# KiCad board jetson-nano-baseboard.kicad_pcb (continued)
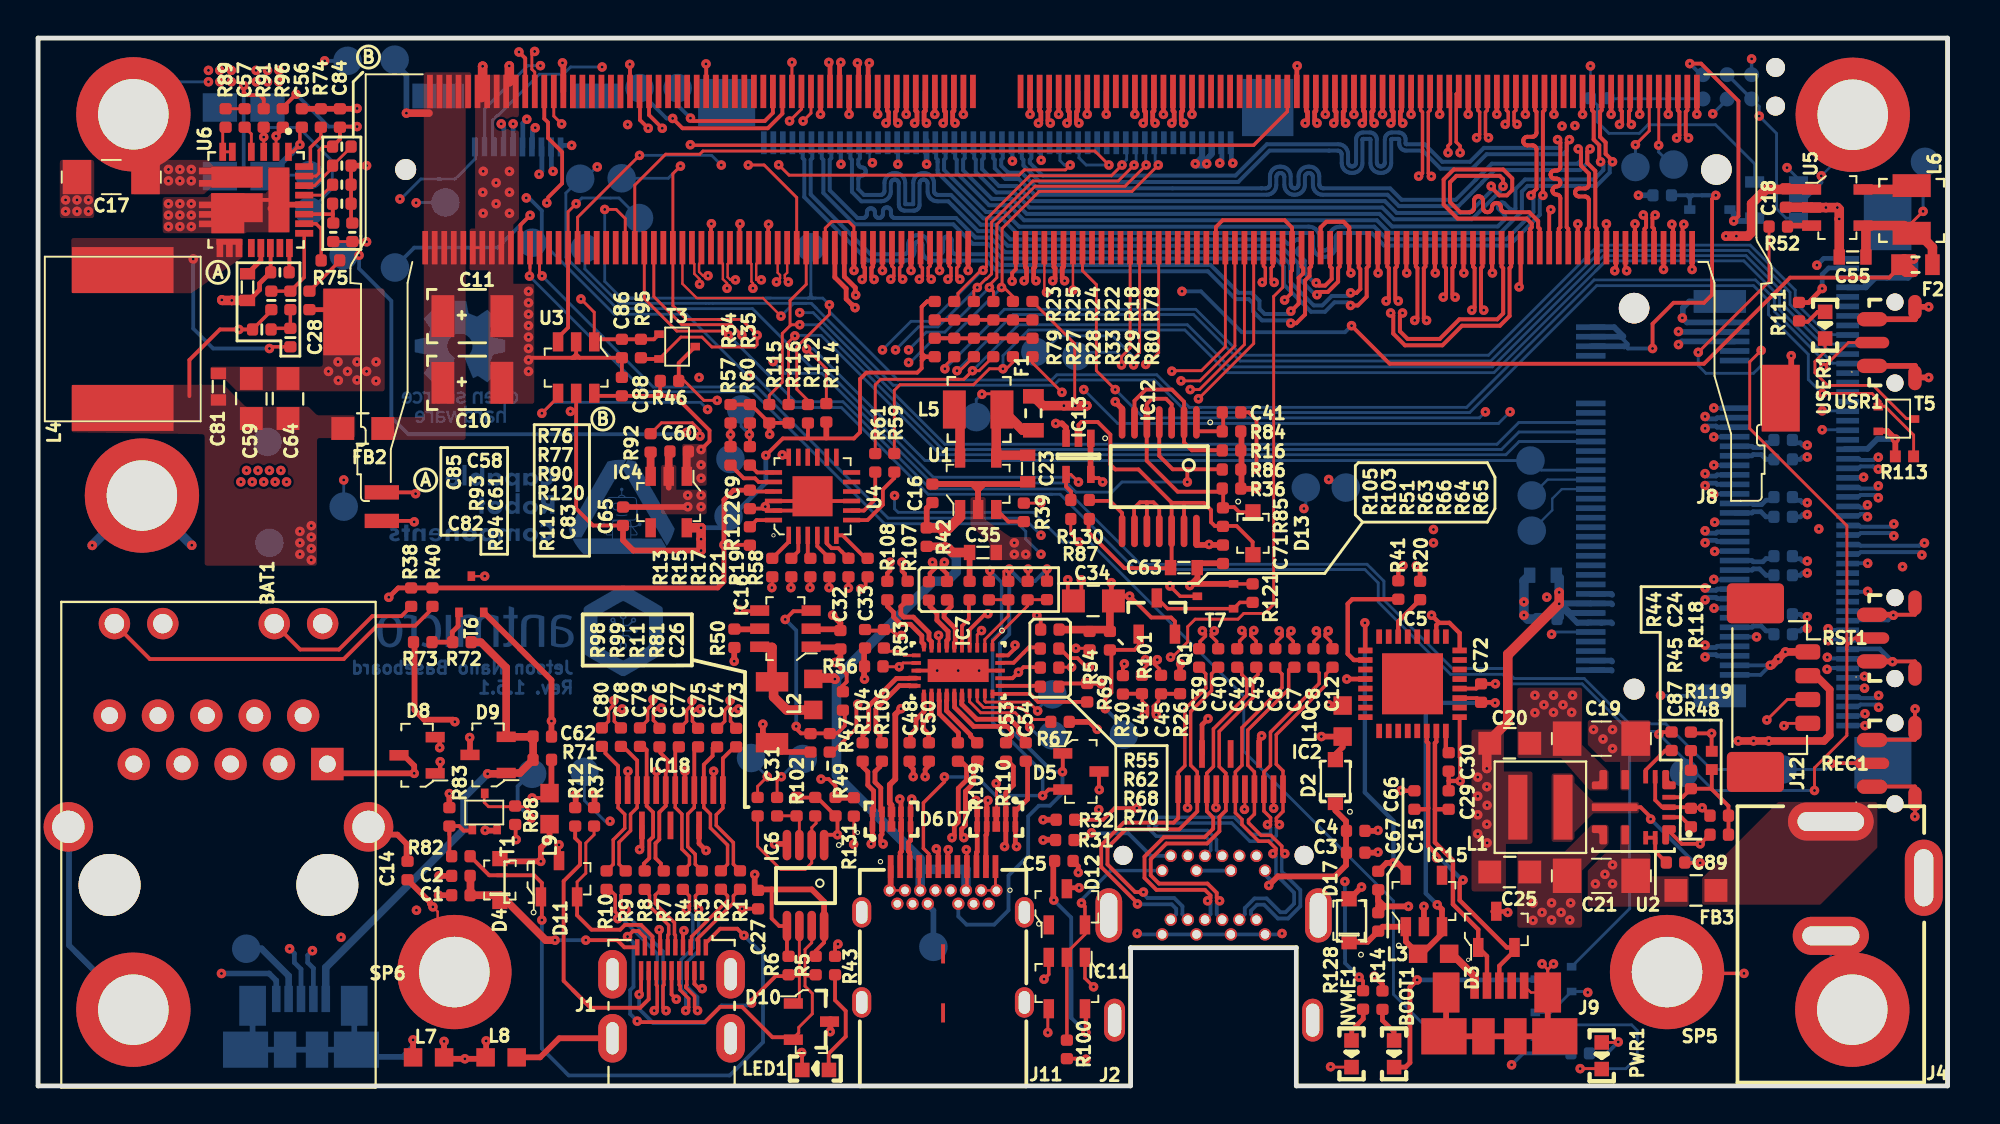
[diagram p0: board, top side]
## Routing (per net, layer and track width the routed paths; a pad name or vN(x,y) marks a point on that pad's centre or on a via; arc(x,y) is an arc through that point) (continued)
  Bottom w0.25: v1(92.86,33.64) 92.62,33.64 92.5,33.76 92.08,33.76
PCIE0_TX1_N: length 66.2
  Top w0.25: M1.140 52.32,42.98 52.26,42.92 52.26,42.39 v1(52.38,42.26)
  In3_SIGNAL.Cu w0.185: v1(52.38,42.26) 52.22,42.1 52.22,41.68 53.54,40.36 60.51,40.36 66.66,34.21 71.14,34.21 71.23,34.2 71.32,34.17 71.4,34.12 71.46,34.06 71.51,33.98 71.54,33.89 71.55,33.8 71.55,33.62 71.56,33.59 71.56,33.56 71.58,33.54 71.6,33.52 71.63,33.5 71.65,33.49 71.68,33.49 71.79,33.49 71.82,33.49 71.85,33.5 71.87,33.52 71.89,33.54 71.91,33.56 71.92,33.59 71.92,33.62 71.92,34.52 71.93,34.61 71.96,34.7 72.01,34.78 72.08,34.84 72.16,34.89 72.24,34.92 72.34,34.94 72.5,34.94 72.59,34.92 72.68,34.89 72.76,34.84 72.82,34.78 72.87,34.7 72.9,34.61 72.91,34.52 72.91,33.62 72.92,33.59 72.92,33.56 72.94,33.54 72.96,33.52 72.99,33.5 73.01,33.49 73.04,33.49 73.15,33.49 73.18,33.49 73.21,33.5 73.23,33.52 73.25,33.54 73.27,33.56 73.28,33.59 73.28,33.62 73.28,34.52 73.29,34.61 73.32,34.7 73.37,34.78 73.44,34.84 73.52,34.89 73.6,34.92 73.7,34.94 73.86,34.94 73.95,34.92 74.04,34.89 74.12,34.84 74.18,34.78 74.23,34.7 74.26,34.61 74.27,34.52 74.27,33.62 74.28,33.59 74.28,33.56 74.3,33.54 74.32,33.52 74.35,33.5 74.37,33.49 74.4,33.49 74.51,33.49 74.54,33.49 74.57,33.5 74.59,33.52 74.61,33.54 74.63,33.56 74.64,33.59 74.64,33.62 74.64,34.52 74.65,34.61 74.68,34.7 74.73,34.78 74.8,34.84 74.88,34.89 74.96,34.92 75.06,34.94 75.22,34.94 75.31,34.92 75.4,34.89 75.48,34.84 75.54,34.78 75.59,34.7 75.62,34.61 75.63,34.52 75.63,33.62 75.64,33.59 75.64,33.56 75.66,33.54 75.68,33.52 75.71,33.5 75.73,33.49 75.76,33.49 75.87,33.49 75.9,33.49 75.93,33.5 75.95,33.52 75.97,33.54 75.99,33.56 76,33.59 76,33.62 76,34.52 76.01,34.61 76.04,34.7 76.09,34.78 76.16,34.84 76.24,34.89 76.32,34.92 76.42,34.94 76.58,34.94 76.67,34.92 76.76,34.89 76.84,34.84 76.9,34.78 76.95,34.7 76.98,34.61 76.99,34.52 76.99,33.62 77,33.59 77,33.56 77.02,33.54 77.04,33.52 77.07,33.5 77.09,33.49 77.12,33.49 77.23,33.49 77.26,33.49 77.29,33.5 77.31,33.52 77.33,33.54 77.35,33.56 77.36,33.59 77.36,33.62 77.36,34.52 77.37,34.61 77.4,34.7 77.45,34.78 77.52,34.84 77.6,34.89 77.68,34.92 77.78,34.94 77.94,34.94 78.03,34.92 78.12,34.89 78.2,34.84 78.26,34.78 78.31,34.7 78.34,34.61 78.35,34.52 78.35,33.62 78.36,33.59 78.36,33.56 78.38,33.54 78.4,33.52 78.43,33.5 78.45,33.49 78.48,33.49 78.59,33.49 78.62,33.49 78.65,33.5 78.67,33.52 78.69,33.54 78.71,33.56 78.72,33.59 78.72,33.62 78.74,34.52 78.75,34.61 78.78,34.7 78.83,34.78 78.89,34.84 78.97,34.89 79.06,34.92 79.15,34.94 79.31,34.94 79.41,34.92 79.49,34.89 79.57,34.84 79.64,34.78 79.69,34.7 79.72,34.61 79.73,34.52 79.73,34.34 79.73,34.31 79.74,34.28 79.76,34.26 79.78,34.24 79.8,34.22 79.83,34.21 79.86,34.21 81.71,34.21 85.45,30.47 88.56,30.47 89.72,31.63 93.21,31.63 93.75,31.09 93.75,30.5 93.4,30.15 93.02,30.15 v1(92.86,29.99)
  Bottom w0.25: 92.08,29.87 92.5,29.87 92.62,29.99 v1(92.86,29.99)
PCIE0_TX1_P: length 66.2
  Top w0.25: v1(51.76,42.26) 51.88,42.39 51.88,42.92 51.82,42.98 M1.142
  In3_SIGNAL.Cu w0.185: v1(51.76,42.26) 51.91,42.1 51.91,41.55 53.42,40.05 60.39,40.05 66.54,33.9 71.11,33.9 71.14,33.9 71.17,33.89 71.19,33.87 71.21,33.85 71.23,33.83 71.24,33.8 71.24,33.77 71.24,33.59 71.25,33.5 71.28,33.41 71.33,33.33 71.4,33.27 71.48,33.22 71.56,33.19 71.66,33.18 71.82,33.18 71.91,33.19 72,33.22 72.08,33.27 72.14,33.33 72.19,33.41 72.22,33.5 72.23,33.59 72.23,34.5 72.24,34.52 72.24,34.55 72.26,34.58 72.28,34.6 72.31,34.61 72.33,34.62 72.36,34.63 72.47,34.63 72.5,34.62 72.53,34.61 72.55,34.6 72.57,34.58 72.59,34.55 72.6,34.52 72.6,34.5 72.6,33.59 72.61,33.5 72.64,33.41 72.69,33.33 72.76,33.27 72.84,33.22 72.92,33.19 73.02,33.18 73.18,33.18 73.27,33.19 73.36,33.22 73.44,33.27 73.5,33.33 73.55,33.41 73.58,33.5 73.59,33.59 73.59,34.5 73.6,34.52 73.6,34.55 73.62,34.58 73.64,34.6 73.67,34.61 73.69,34.62 73.72,34.63 73.83,34.63 73.86,34.62 73.89,34.61 73.91,34.6 73.93,34.58 73.95,34.55 73.96,34.52 73.96,34.5 73.96,33.59 73.97,33.5 74,33.41 74.05,33.33 74.12,33.27 74.2,33.22 74.28,33.19 74.38,33.18 74.54,33.18 74.63,33.19 74.72,33.22 74.8,33.27 74.86,33.33 74.91,33.41 74.94,33.5 74.95,33.59 74.95,34.5 74.96,34.52 74.96,34.55 74.98,34.58 75,34.6 75.03,34.61 75.05,34.62 75.08,34.63 75.19,34.63 75.22,34.62 75.25,34.61 75.27,34.6 75.29,34.58 75.31,34.55 75.32,34.52 75.32,34.5 75.32,33.59 75.33,33.5 75.36,33.41 75.41,33.33 75.48,33.27 75.56,33.22 75.64,33.19 75.74,33.18 75.9,33.18 75.99,33.19 76.08,33.22 76.16,33.27 76.22,33.33 76.27,33.41 76.3,33.5 76.31,33.59 76.31,34.5 76.32,34.52 76.32,34.55 76.34,34.58 76.36,34.6 76.39,34.61 76.41,34.62 76.44,34.63 76.55,34.63 76.58,34.62 76.61,34.61 76.63,34.6 76.65,34.58 76.67,34.55 76.68,34.52 76.68,34.5 76.68,33.59 76.69,33.5 76.72,33.41 76.77,33.33 76.84,33.27 76.92,33.22 77,33.19 77.1,33.18 77.26,33.18 77.35,33.19 77.44,33.22 77.52,33.27 77.58,33.33 77.63,33.41 77.66,33.5 77.67,33.59 77.67,34.5 77.68,34.52 77.68,34.55 77.7,34.58 77.72,34.6 77.75,34.61 77.77,34.62 77.8,34.63 77.91,34.63 77.94,34.62 77.97,34.61 77.99,34.6 78.01,34.58 78.03,34.55 78.04,34.52 78.04,34.5 78.04,33.59 78.05,33.5 78.08,33.41 78.13,33.33 78.2,33.27 78.28,33.22 78.36,33.19 78.46,33.18 78.62,33.18 78.71,33.19 78.8,33.22 78.88,33.27 78.94,33.33 78.99,33.41 79.02,33.5 79.03,33.59 79.05,34.5 79.05,34.52 79.06,34.55 79.08,34.58 79.1,34.6 79.12,34.61 79.15,34.62 79.18,34.63 79.29,34.63 79.32,34.62 79.34,34.61 79.37,34.6 79.39,34.58 79.4,34.55 79.41,34.52 79.42,34.5 79.42,34.32 79.43,34.22 79.46,34.14 79.51,34.06 79.57,33.99 79.65,33.94 79.74,33.91 79.83,33.9 81.58,33.9 85.32,30.16 88.71,30.16 89.87,31.32 91.45,31.32 91.49,31.31 91.53,31.3 91.57,31.27 91.6,31.25 91.62,31.21 91.63,31.17 91.64,31.13 91.64,31.08 91.64,31.04 91.65,31 91.68,30.97 91.71,30.94 91.74,30.92 91.78,30.9 91.82,30.9 91.86,30.9 91.9,30.92 91.94,30.94 91.97,30.97 91.99,31 92,31.04 92.01,31.08 92.01,31.13 92.01,31.17 92.02,31.21 92.05,31.25 92.08,31.27 92.11,31.3 92.15,31.31 92.19,31.32 93.09,31.32 93.44,30.96 93.44,30.62 93.27,30.46 93.02,30.46 v1(92.86,30.62)
  Bottom w0.25: v1(92.86,30.62) 92.62,30.62 92.5,30.74 92.08,30.74
PCIE0_TX2_N: length 65.5
  Top w0.18: M1.148 48.32,43.03 48.22,42.94 48.22,42.5 v1(48.38,42.34)
  In3_SIGNAL.Cu w0.185: v1(92.86,26.92) 93.02,27.08 93.4,27.08 93.75,27.43 93.75,28.03 93.17,28.6 89.6,28.6 88.49,27.49 84.63,27.49 83.32,28.8 83.32,30.66 81.34,32.64 81,32.64 80.96,32.65 80.92,32.66 80.88,32.68 80.86,32.71 80.83,32.75 80.82,32.79 80.82,32.83 80.82,33.1 80.8,33.2 80.77,33.3 80.71,33.39 80.64,33.46 80.55,33.52 80.45,33.55 80.35,33.56 80.29,33.56 80.19,33.55 80.09,33.52 80,33.46 79.93,33.39 79.87,33.3 79.84,33.2 79.83,33.1 79.83,31.96 79.82,31.92 79.81,31.88 79.78,31.84 79.76,31.81 79.72,31.79 79.68,31.78 79.64,31.77 79.6,31.78 79.56,31.79 79.52,31.81 79.5,31.84 79.47,31.88 79.46,31.92 79.46,31.96 79.46,32.18 79.44,32.28 79.41,32.38 79.35,32.47 79.28,32.54 79.19,32.6 79.09,32.63 78.99,32.64 78.93,32.64 78.83,32.63 78.73,32.6 78.64,32.54 78.57,32.47 78.51,32.38 78.48,32.28 78.47,32.18 78.47,31.96 78.46,31.92 78.45,31.88 78.42,31.84 78.4,31.81 78.36,31.79 78.32,31.78 78.28,31.77 78.24,31.78 78.2,31.79 78.16,31.81 78.14,31.84 78.11,31.88 78.1,31.92 78.1,31.96 78.1,32.18 78.08,32.28 78.05,32.38 77.99,32.47 77.92,32.54 77.83,32.6 77.73,32.63 77.63,32.64 77.63,32.64 77.53,32.63 77.43,32.6 77.34,32.54 77.27,32.47 77.21,32.38 77.18,32.28 77.17,32.18 77.17,31.96 77.16,31.92 77.15,31.88 77.12,31.84 77.1,31.81 77.06,31.79 77.02,31.78 76.98,31.77 76.94,31.78 76.9,31.79 76.86,31.81 76.84,31.84 76.81,31.88 76.8,31.92 76.8,31.96 76.8,32.18 76.78,32.28 76.75,32.38 76.69,32.47 76.62,32.54 76.53,32.6 76.43,32.63 76.33,32.64 76.33,32.64 76.23,32.63 76.13,32.6 76.04,32.54 75.97,32.47 75.91,32.38 75.88,32.28 75.87,32.18 75.87,31.96 75.86,31.92 75.85,31.88 75.82,31.84 75.8,31.81 75.76,31.79 75.72,31.78 75.68,31.77 75.64,31.78 75.6,31.79 75.56,31.81 75.54,31.84 75.51,31.88 75.5,31.92 75.5,31.96 75.5,32.18 75.48,32.28 75.45,32.38 75.39,32.47 75.32,32.54 75.23,32.6 75.13,32.63 75.03,32.64 75.03,32.64 74.93,32.63 74.83,32.6 74.74,32.54 74.67,32.47 74.61,32.38 74.58,32.28 74.57,32.18 74.57,31.96 74.56,31.92 74.55,31.88 74.52,31.84 74.5,31.81 74.46,31.79 74.42,31.78 74.38,31.77 74.34,31.78 74.3,31.79 74.26,31.81 74.24,31.84 74.21,31.88 74.2,31.92 74.2,31.96 74.2,32.18 74.18,32.28 74.15,32.38 74.09,32.47 74.02,32.54 73.93,32.6 73.83,32.63 73.73,32.64 66.96,32.64 60.07,39.53 60,39.53 59.97,39.56 50.56,39.56 48.22,41.89 48.22,42.18 v1(48.38,42.34)
  Bottom w0.25: 92.08,26.8 92.5,26.8 92.62,26.92 v1(92.86,26.92)
PCIE0_TX2_P: length 65.2
  Top w0.18: v1(47.76,42.34) 47.92,42.5 47.92,42.94 47.82,43.03 47.82,44
  In3_SIGNAL.Cu w0.185: 77.64,32.33 77.68,32.32 77.72,32.29 77.74,32.26 77.77,32.23 77.78,32.19 77.79,32.15 77.79,31.93 77.8,31.83 77.83,31.73 77.89,31.64 77.96,31.57 78.05,31.51 78.15,31.48 78.25,31.46 78.31,31.46 78.41,31.48 78.51,31.51 78.6,31.57 78.67,31.64 78.73,31.73 78.76,31.83 78.78,31.93 78.78,32.15 78.78,32.19 78.79,32.23 78.82,32.26 78.84,32.29 78.88,32.32 78.92,32.33 78.96,32.33 79,32.33 79.04,32.32 79.08,32.29 79.1,32.26 79.13,32.23 79.14,32.19 79.15,32.15 79.15,31.93 79.16,31.83 79.19,31.73 79.25,31.64 79.32,31.57 79.41,31.51 79.51,31.48 79.61,31.46 79.67,31.46 79.77,31.48 79.87,31.51 79.96,31.57 80.03,31.64 80.09,31.73 80.12,31.83 80.14,31.93 80.14,33.07 80.14,33.11 80.15,33.15 80.18,33.18 80.2,33.21 80.24,33.24 80.28,33.25 80.32,33.25 80.36,33.25 80.4,33.24 80.44,33.21 80.46,33.18 80.49,33.15 80.5,33.11 80.51,33.07 80.51,32.8 80.52,32.7 80.55,32.6 80.61,32.51 80.68,32.44 80.77,32.38 80.87,32.35 80.97,32.33 81.21,32.33 83.01,30.53 83.01,28.68 84.51,27.18 88.68,27.18 89.79,28.29 90.87,28.29 90.89,28.29 90.92,28.28 90.94,28.26 90.96,28.25 90.98,28.22 90.99,28.2 90.99,28.14 91,28.12 91.02,28.09 91.04,28.07 91.06,28.06 91.08,28.05 91.11,28.05 91.24,28.05 91.26,28.05 91.29,28.06 91.31,28.07 91.33,28.09 91.35,28.12 91.36,28.14 91.36,28.2 91.37,28.22 91.39,28.25 91.41,28.26 91.43,28.28 91.45,28.29 91.48,28.29 93.04,28.29 93.44,27.9 93.44,27.56 93.27,27.39 93.02,27.39 v1(92.86,27.55) ; v1(47.76,42.34) 47.91,42.18 47.91,41.77 50.46,39.22 59.94,39.22 66.83,32.33 73.7,32.33 73.74,32.33 73.78,32.32 73.82,32.29 73.84,32.26 73.87,32.23 73.88,32.19 73.89,32.15 73.89,31.93 73.9,31.83 73.93,31.73 73.99,31.64 74.06,31.57 74.15,31.51 74.25,31.48 74.35,31.46 74.41,31.46 74.51,31.48 74.61,31.51 74.7,31.57 74.77,31.64 74.83,31.73 74.86,31.83 74.88,31.93 74.88,32.15 74.88,32.19 74.89,32.23 74.92,32.26 74.94,32.29 74.98,32.32 75.02,32.33 ; 77.62,32.33 77.58,32.32 77.54,32.29 77.52,32.26 77.49,32.23 77.48,32.19 77.48,32.15 77.48,31.93 77.46,31.83 77.43,31.73 77.37,31.64 77.3,31.57 77.21,31.51 77.11,31.48 77.01,31.46 76.95,31.46 76.85,31.48 76.75,31.51 76.66,31.57 76.59,31.64 76.53,31.73 76.5,31.83 76.49,31.93 76.49,32.15 76.48,32.19 76.47,32.23 76.44,32.26 76.42,32.29 76.38,32.32 76.34,32.33 ; 75.04,32.33 75.08,32.32 75.12,32.29 75.14,32.26 75.17,32.23 75.18,32.19 75.19,32.15 75.19,31.93 75.2,31.83 75.23,31.73 75.29,31.64 75.36,31.57 75.45,31.51 75.55,31.48 75.65,31.46 75.71,31.46 75.81,31.48 75.91,31.51 76,31.57 76.07,31.64 76.13,31.73 76.16,31.83 76.18,31.93 76.18,32.15 76.18,32.19 76.19,32.23 76.22,32.26 76.24,32.29 76.28,32.32 76.32,32.33
  Bottom w0.25: v1(92.86,27.55) 92.62,27.55 92.5,27.67 92.08,27.67
PCIE0_TX3_N: length 66
  Top w0.18: 46.82,44 46.82,43.03 46.72,42.94 46.72,42.5 v1(46.88,42.34)
  In3_SIGNAL.Cu w0.18: 70.03,31.44 70.03,30.48 70.03,30.47 70.03,30.47
  In3_SIGNAL.Cu w0.185: 70.03,30.5 70.03,30.47 70.02,30.44 70,30.41 69.98,30.39 69.95,30.37 69.92,30.36 69.89,30.36 69.81,30.36 69.77,30.36 69.74,30.37 69.72,30.39 69.69,30.41 69.68,30.44 69.67,30.47 69.66,30.5 69.66,31.44 69.65,31.53 69.62,31.62 69.57,31.7 69.5,31.77 69.42,31.82 69.33,31.85 69.23,31.86 69.1,31.86 69,31.85 68.91,31.82 68.83,31.77 68.77,31.7 68.71,31.62 68.68,31.53 68.67,31.44 68.67,30.5 68.67,30.47 68.66,30.44 68.64,30.41 68.62,30.39 68.59,30.37 68.56,30.36 68.53,30.36 68.45,30.36 68.41,30.36 68.38,30.37 68.36,30.39 68.33,30.41 68.32,30.44 68.31,30.47 68.3,30.5 68.3,30.68 68.29,30.78 68.26,30.87 68.21,30.95 68.14,31.02 68.06,31.07 67.97,31.1 67.87,31.11 67.12,31.11 59.58,38.64 58.46,38.64 58.46,38.65 57.82,38.65 57.81,38.64 50.02,38.64 46.72,41.94 46.72,42.18 v1(46.88,42.34) ; 70.03,31.44 70.04,31.53 70.08,31.62 70.13,31.7 70.19,31.77 70.28,31.82 70.37,31.85 70.46,31.86 70.6,31.86 70.69,31.85 70.78,31.82 70.86,31.77 70.93,31.7 70.98,31.62 71.01,31.53 71.02,31.44 71.02,31.25 71.03,31.22 71.04,31.19 71.06,31.16 71.08,31.14 71.11,31.12 71.14,31.11 71.17,31.11 80.95,31.11 82.28,29.78 82.28,27.62 85.63,24.26 88.24,24.26 89.69,25.71 93.14,25.71 93.75,25.11 93.75,24.51 93.4,24.16 93.02,24.16 v1(92.86,24.01)
  Bottom w0.25: 92.08,23.88 92.5,23.88 92.62,24.01 v1(92.86,24.01)
PCIE0_TX3_P: length 67
  Top w0.18: v1(46.26,42.34) 46.42,42.5 46.42,42.94 46.32,43.03 M1.156
  In3_SIGNAL.Cu w0.18: 70.34,31.41 70.35,31.41 70.35,30.48 ; 70.35,31.44 70.35,30.48 ; 70.35,30.48 70.34,30.48
  In3_SIGNAL.Cu w0.185: 70.34,30.48 70.33,30.38 70.3,30.29 70.25,30.21 70.18,30.14 70.1,30.09 70.01,30.06 69.91,30.05 69.78,30.05 69.68,30.06 69.59,30.09 69.51,30.14 69.45,30.21 69.39,30.29 69.36,30.38 69.35,30.48 69.35,31.41 69.35,31.44 69.34,31.47 69.32,31.5 69.3,31.52 69.27,31.54 69.24,31.55 69.21,31.55 69.13,31.55 69.09,31.55 69.06,31.54 69.04,31.52 69.01,31.5 69,31.47 68.99,31.44 68.98,31.41 68.98,30.48 68.97,30.38 68.94,30.29 68.89,30.21 68.82,30.14 68.74,30.09 68.65,30.06 68.55,30.05 68.42,30.05 68.32,30.06 68.23,30.09 68.15,30.14 68.09,30.21 68.03,30.29 68,30.38 67.99,30.48 67.99,30.66 67.99,30.69 67.98,30.72 67.96,30.75 67.94,30.77 67.91,30.79 67.88,30.8 67.85,30.8 66.99,30.8 59.45,38.33 58.34,38.33 58.33,38.34 57.94,38.34 57.94,38.33 49.89,38.33 46.41,41.81 46.41,42.18 v1(46.26,42.34) ; v1(92.86,24.63) 93.02,24.47 93.27,24.47 93.44,24.64 93.44,24.98 93.04,25.37 92.05,25.37 92,25.37 91.97,25.35 91.93,25.33 91.9,25.3 91.88,25.27 91.87,25.23 91.86,25.19 91.86,25.13 91.86,25.09 91.84,25.05 91.82,25.01 91.79,24.98 91.76,24.96 91.72,24.95 91.68,24.94 91.63,24.95 91.6,24.96 91.56,24.98 91.53,25.01 91.51,25.05 91.5,25.09 91.49,25.13 91.49,25.19 91.49,25.23 91.47,25.27 91.45,25.3 91.42,25.33 91.39,25.35 91.35,25.37 91.31,25.37 89.79,25.37 88.37,23.95 85.51,23.95 81.97,27.49 81.97,29.65 80.82,30.8 71.14,30.8 71.05,30.81 70.96,30.84 70.87,30.89 70.81,30.96 70.76,31.04 70.72,31.13 70.71,31.23 70.71,31.41 70.71,31.44 70.7,31.47 70.68,31.5 70.66,31.52 70.63,31.54 70.6,31.55 70.57,31.55 70.49,31.55 70.46,31.55 70.43,31.54 70.4,31.52 70.38,31.5 70.36,31.47 70.35,31.44 70.34,31.41
  Bottom w0.25: v1(92.86,24.63) 92.62,24.63 92.5,24.75 92.08,24.75
PCIE1_CLK_N: length 28.2
  Top w0.25: M1.173 42.07,53.66 v1(42.13,53.73)
  In5_3V3_SYS_SIGNAL.Cu w0.195: v1(42.13,53.73) 41.98,53.57 41.98,53.1 41.47,52.6 36.84,52.6 36.73,52.61 36.63,52.65 36.53,52.71 36.46,52.78 36.4,52.88 36.36,52.98 36.35,53.09 36.35,53.34 36.35,53.38 36.33,53.42 36.31,53.46 36.28,53.49 36.24,53.51 36.2,53.53 36.16,53.53 36.11,53.53 36.07,53.51 36.04,53.49 36,53.46 35.98,53.42 35.97,53.38 35.96,53.34 35.96,53.09 35.95,52.98 35.91,52.88 35.86,52.78 35.78,52.71 35.69,52.65 35.58,52.61 35.48,52.6 22.8,52.6 22.5,52.3 22.5,51.88 22.84,51.54 24.4,51.54 24.78,51.16 24.78,50.74 ; 24.78,50.65 v1(24.93,50.5)
  Bottom w0.25: 24.94,49.28 24.94,49.92 24.93,49.92 v1(24.93,50.5)
PCIE1_CLK_P: length 28.3
  Top w0.25: M1.175 41.57,53.66 v1(41.51,53.73)
  In5_3V3_SYS_SIGNAL.Cu w0.195: v1(41.51,53.73) 41.66,53.57 41.66,53.24 41.34,52.92 38.02,52.92 36.87,52.92 36.82,52.93 36.78,52.94 36.75,52.96 36.71,52.99 36.69,53.03 36.68,53.07 36.67,53.12 36.67,53.36 36.66,53.47 36.62,53.58 36.57,53.67 36.49,53.74 36.4,53.8 36.29,53.84 36.19,53.85 36.13,53.85 36.02,53.84 35.92,53.8 35.82,53.74 35.75,53.67 35.69,53.58 35.65,53.47 35.64,53.36 35.64,53.12 35.64,53.07 35.62,53.03 35.6,52.99 35.57,52.96 35.53,52.94 35.49,52.93 35.45,52.92 32.36,52.92 26.04,52.92 22.67,52.92 22.18,52.43 22.18,51.75 22.71,51.22 24.27,51.22 24.46,51.02 24.46,50.65 v1(24.31,50.5)
  Bottom w0.25: v1(24.31,50.5) 24.43,50.37 24.43,50.29 24.44,50.28 24.44,49.28
PCIE1_CLKREQ: length 25
  Top w0.152: M1.182 39.82,46.63 38.11,48.34 v1(37.28,48.34)
  In2_SINGAL.Cu w0.15: v1(30.95,50.46) 30.95,52.14 v1(29.6,53.48)
  In5_3V3_SYS_SIGNAL.Cu w0.25: 31.66,49.75 32.52,48.89 36.73,48.89 v1(37.28,48.34)
  In5_3V3_SYS_SIGNAL.Cu w0.254: v1(30.95,50.46) 31.66,49.75
  Bottom w0.152: 23.94,49.28 23.86,49.37 23.86,50.69 24.12,50.95 24.16,50.95 26.31,53.1 27.57,53.1 27.95,53.48 v1(29.6,53.48)
PCIE1_RST: length 21.1
  Top w0.152: M1.183 39.57,53.73 v1(39.57,53.73)
  In2_SINGAL.Cu w0.152: v1(39.57,53.73) 39.57,53.78 39.2,54.15 26.86,54.15 26.27,53.56
  Bottom w0.152: v1(26.37,53.55) 25.7,53.55 23.44,51.29 23.44,49.28
PCIE1_RX0_N: length 28.5
  Top w0.25: M1.167 43.57,53.63 v1(43.63,53.7)
  In5_3V3_SYS_SIGNAL.Cu w0.195: v1(27.03,48.01) 26.9,48.14 26.9,48.49 27.45,49.05 27.45,49.85 27.01,50.3 27.01,50.98 27.56,51.53 28.13,51.53 28.17,51.53 28.21,51.51 28.25,51.49 28.28,51.46 28.3,51.42 28.32,51.38 28.32,51.34 28.32,50.86 28.33,50.75 28.37,50.65 28.43,50.55 28.5,50.48 28.6,50.42 28.7,50.38 28.81,50.37 28.87,50.37 28.97,50.38 29.08,50.42 29.17,50.48 29.25,50.55 29.3,50.65 29.34,50.75 29.35,50.86 29.35,51.34 29.36,51.38 29.37,51.42 29.39,51.46 29.43,51.49 29.46,51.51 29.5,51.53 29.55,51.53 30.34,51.53 30.39,51.52 30.43,51.51 30.48,51.48 30.51,51.45 30.54,51.4 30.56,51.36 30.56,51.31 30.56,51.28 30.57,51.23 30.58,51.18 30.61,51.14 30.65,51.1 30.69,51.08 30.74,51.06 30.79,51.06 30.84,51.06 30.88,51.08 30.93,51.1 30.96,51.14 30.99,51.18 31.01,51.23 31.01,51.28 31.01,51.31 31.02,51.36 31.03,51.4 31.06,51.45 31.1,51.48 31.14,51.51 31.19,51.52 31.24,51.53 35.46,51.53 35.5,51.53 35.54,51.51 35.58,51.49 35.61,51.46 35.63,51.42 35.65,51.38 35.65,51.34 35.65,50.89 35.66,50.78 35.7,50.68 35.76,50.58 35.83,50.51 35.93,50.45 36.03,50.41 36.14,50.4 36.2,50.4 36.3,50.41 36.41,50.45 36.5,50.51 36.58,50.58 36.63,50.68 36.67,50.78 36.68,50.89 36.68,51.34 36.69,51.38 36.7,51.42 36.72,51.46 36.75,51.49 36.79,51.51 36.83,51.53 36.88,51.53 42.29,51.53 43.48,52.72 43.48,53.54 v1(43.63,53.7)
  Bottom w0.25: v1(27.03,48.01) 26.94,48.1 26.94,49.28
PCIE1_RX0_P: length 28.5
  Top w0.25: M1.169 43.07,53.63 v1(43.01,53.7)
  In2_SINGAL.Cu w0.185: v1(43.01,53.7) 43.15,53.7 43.16,53.71
  In5_3V3_SYS_SIGNAL.Cu w0.195: v1(43.01,53.7) 43.16,53.54 43.16,52.86 42.15,51.85 36.85,51.85 36.74,51.84 36.64,51.8 36.54,51.74 36.47,51.67 36.41,51.58 36.37,51.47 36.36,51.37 36.36,50.92 36.36,50.87 36.34,50.83 36.32,50.79 36.29,50.76 36.25,50.74 36.21,50.73 36.17,50.72 36.12,50.73 36.08,50.74 36.04,50.76 36.01,50.79 35.99,50.83 35.98,50.87 35.97,50.92 35.97,51.37 35.96,51.47 35.92,51.58 35.87,51.67 35.79,51.74 35.7,51.8 35.59,51.84 35.49,51.85 29.52,51.85 29.41,51.84 29.31,51.8 29.21,51.74 29.14,51.67 29.08,51.58 29.04,51.47 29.03,51.37 29.03,50.89 29.03,50.84 29.01,50.8 28.99,50.76 28.96,50.73 28.92,50.71 28.88,50.7 28.84,50.69 28.79,50.7 28.75,50.71 28.72,50.73 28.68,50.76 28.66,50.8 28.65,50.84 28.64,50.89 28.64,51.37 28.63,51.47 28.59,51.58 28.54,51.67 28.46,51.74 28.37,51.8 28.26,51.84 28.16,51.85 27.43,51.85 26.69,51.11 26.69,50.17 27.13,49.72 27.13,49.18 26.56,48.6 26.56,48.11 v1(26.3,47.85)
  Bottom w0.25: v1(26.3,47.85) 26.44,48 26.44,49.28
PCIE1_TX0_N: length 30
  Top w0.25: v1(42.92,41.51) 42.9,41.54 42.9,41.9 42.32,42.48 M1.172
  In5_3V3_SYS_SIGNAL.Cu w0.195: v1(42.92,41.51) 42.38,42.05 42.38,43.01 42.38,43.02 42.38,44.08 39.32,47.14 28.97,47.14 28.93,47.15 28.89,47.16 28.85,47.19 28.82,47.22 28.79,47.26 28.78,47.3 28.77,47.34 28.77,47.71 28.77,47.75 28.75,47.79 28.73,47.83 28.7,47.86 28.66,47.89 28.62,47.9 28.57,47.91 28.53,47.9 28.49,47.89 28.45,47.86 28.42,47.83 28.39,47.79 28.38,47.75 28.37,47.71 28.37,47.34 28.37,47.3 28.35,47.26 28.33,47.22 28.3,47.19 28.26,47.16 28.22,47.15 28.17,47.14 28.13,47.15 28.09,47.16 28.05,47.19 28.02,47.22 27.99,47.26 27.98,47.3 27.97,47.34 27.97,47.71 27.97,47.75 27.95,47.79 27.93,47.83 27.9,47.86 27.86,47.89 27.82,47.9 27.77,47.91 27.73,47.9 27.69,47.89 27.65,47.86 27.62,47.83 27.59,47.79 27.58,47.75 27.57,47.71 27.57,47.34 27.57,47.3 27.55,47.26 27.53,47.22 27.5,47.19 27.46,47.16 27.42,47.15 27.37,47.14 26.39,47.14 26.33,47.14 25.59,47.89 25.59,49.79 v1(26.09,50.3)
  Bottom w0.25: 25.94,49.28 25.94,50.14 v1(26.09,50.3)
PCIE1_TX0_P: length 30.1
  Top w0.25: v1(42.88,40.85) 42.72,41.01 42.71,41.01 42.42,41.31 42.42,41.85 41.82,42.45 M1.174
  In5_3V3_SYS_SIGNAL.Cu w0.195: v1(42.88,40.85) 42.08,41.65 42.08,43.96 39.22,46.82 26.52,46.82 26.52,46.82 26.2,46.82 25.27,47.76 25.27,50 25.65,50.38 v1(25.65,50.74)
  Bottom w0.25: 25.44,49.28 25.44,50.53 v1(25.65,50.74)
PEX_L0_CLKREQ_N: length 54.2
  Top w0.15: 39.47,39.9 39.06,39.5 39.06,36.93 38.38,36.25 38.38,35.76 ; 39.47,39.9 39.52,39.95 v1(39.98,39.95) ; 39.47,39.9 39.47,41.22 40.32,42.07 40.32,44
  Bottom w0.15: J8.52 77.73,34.32 76.81,33.41 47.48,33.41 40.93,39.95 v1(39.98,39.95)
PEX_L0_RST_N: length 62
  Top w0.15: 39.39,35.76 39.39,39.04 v1(39.72,39.37) ; v1(39.44,50.65) 40.07,51.27 40.07,52.2
  In2_SINGAL.Cu w0.15: 39.75,39.4 v1(39.72,39.37) 39.47,39.62 39.47,41.04 39.84,41.41 39.84,49.81 39.44,50.2 v1(39.44,50.65) 39.44,50.72
  Bottom w0.15: v1(39.72,39.37) 39.75,39.4 41.1,39.4 47.36,33.13 77.04,33.13 77.74,33.82 J8.50
PWR_EN: length 50.7
  Top w0.15: IC13.4 54.21,32.1 v1(54.61,31.7) ; M1.237 26.07,53.22 25.92,53.37 25.92,54.15 v1(26.06,54.3)
  Top w0.2: IC13.4 53.96,31.46 54.23,31.19 54.23,30.73 54.2,30.71
  In3_SIGNAL.Cu w0.15: v1(26.06,54.3) 25.92,54.15 25.92,52.68 26.37,52.23 28.52,52.23 29.35,51.4 v1(29.35,48.24)
  Bottom w0.15: 29.34,48.26 28.7,47.62 TP27.1 27.7,46.87 27.7,43.49 30.39,40.8 37.5,40.8 40.62,37.68 41.26,37.68 46.99,31.95 54.36,31.95 v1(54.61,31.7)
PWR_GOOD: length 100
  Top w0.15: 54.2,29.69 54.2,28.98 v1(54.63,28.55) ; U6.2 v1(12.49,49.86)
  Top w0.2: v1(12.49,49.86) 12.84,50.21 R96.2
  In5_3V3_SYS_SIGNAL.Cu w0.2: v1(34.04,34.31) 34.74,35.01 40.94,35.01 v1(44.96,30.99) ; v1(12.49,49.86) 12.49,47.96 v1(16.85,43.6)
  Bottom w0.15: T4.1 73.39,2.56 71.14,4.81 71.14,9.71 63.29,17.56 63.29,20.46 55.2,28.55 v1(54.63,28.55) 53.8,28.55 52.24,30.11 45.14,30.11 44.96,30.29 v1(44.96,30.99) ; TP40.1 16.05,43.6 v1(16.85,43.6)
  Bottom w0.2: v1(34.04,34.31) 33.94,34.21 19.44,34.21 18.54,35.11 18.54,41.21 16.85,42.9 v1(16.85,43.6)
